# Allegro board 038RT-9068CJK8E-A100_0921_1.brd (continued)
## Nets (continued)
S0_R_P0_RXD2: K233.6 RR411.2
S0_R_P0_RXD3: K232.3 RR408.2
S0_R_P0_RXDV: K232.6 RR409.2
S0_R_P0_RXER: K183.6 RR406.2
S0_R_P0_TXC: K181.6 RR404.2
S0_R_P0_TXD0: K180.6 RR400.2
S0_R_P0_TXD1: K181.3 RR401.2
S0_R_P0_TXD2: K182.3 RR402.2
S0_R_P0_TXD3: K183.3 RR403.2
S0_R_P0_TXEN: K180.3 RR405.2
S0_RESETB: RD179.1 SITE0.T1(RESETB)
S0_RTT: R105.1 R434.1 SITE0.D11(RTT_CKDIG)
S0_SEL1_K145: K145.8(SEL1) RL15.1 RU11.2 RU12.1
S0_SEL2_K145: K145.17(SEL2) RU12.2
S0_SEL2_K217: K217.17(SEL2) RL38.1
S0_SPI_CSB: RD73.1 SITE0.L16(SPI_CSB)
S0_SPI_SCK: RD75.1 SITE0.P16(SPI_SCK)
S0_SPI_SI: RD76.1 SITE0.R16(SPI_SIO0)
S0_SPI_SO: RD74.1 SITE0.M16(SPI_SIO1)
S0_SPI_VDDIO: RD62.1 SITE0.R15(SPI_VDDIO)
S0_SW_CTRL: S0_SW_CTRL.2 SLOT2-DOWN.E5 U6.10(SEL0) U6.25(SEL_1) U17.10(SEL0) U17.25(SEL_1) U18.10(SEL0) U18.25(SEL_1)
S0_SWR1_EN: CS5.1 R548.2 SWR1.7(EN)
S0_SWR1_FB: CS2.2 RB7.2 RB8.1 SG0_SWR1_FB.1 SWR1.1(FB)
S0_SWR1_LX: LX1.1 SWR1.6(LX)
S0_SWR1_PG: RS6.2 SWR1.2(PG)
S0_SWR1_VIN: RS6.1 RS9.2 SWR1.3(IN)
S0_TAPSL0: RD79.1 SITE0.P2(TAPSL0)
S0_TAPSL0_HIGH: R342.1 S0_TAPSL0.1
S0_TAPSL0_LOW: R343.1 S0_TAPSL0.3
S0_TAPSL1: RD80.1 SITE0.R2(TAPSL1)
S0_TAPSL1_HIGH: R344.1 S0_TAPSL1.1
S0_TAPSL1_LOW: R345.1 S0_TAPSL1.3
S0_TCT: C171.1 T12.10(TCT2) T12.15(TCT1)
S0_TDO: RD97.2 SITE0.H16(TDO)
S0_U1_FE_MDI+: K56.4 T12.11(TD2+)
S0_U1_FE_MDI-: K56.5 T12.9(TD2-)
S0_U1_FE_MDIX+: K52.4 T12.16(TD1+)
S0_U1_FE_MDIX-: K52.5 T12.14(TD1-)
S0_U1_P0_MDI+: K60.4 T7.3
S0_U1_P0_MDI-: K60.5 T7.4
S0_U1_P1_MDI+: K64.4 T8.3
S0_U1_P1_MDI-: K64.5 T8.4
S0_U1_P2_GIGA_MDI+: C385.1 T18.2
S0_U1_P2_GIGA_MDI-: C384.1 T18.1
S0_U1_P3_GIGA_MDI+: C413.1 T23.2
S0_U1_P3_GIGA_MDI-: C412.1 T23.1
S0_U1_P5_MDI+: K130.4 T17.3
S0_U1_P5_MDI-: K130.5 T17.4
S0_U1_P6_MDI+: K140.4 T15.3
S0_U1_P6_MDI-: K140.5 T15.4
S0_U2_FE_MDI+: T12.6(MX2+) U6.12(A2)
S0_U2_FE_MDI-: T12.8(MX2-) U6.13(A3)
S0_U2_FE_MDIX+: T12.1(MX1+) U6.6(A0)
S0_U2_FE_MDIX-: T12.3(MX1-) U6.7(A1)
S0_U2_P0_MDI+: C195.1 T7.2
S0_U2_P0_MDI-: C196.1 T7.1
S0_U2_P1_MDI+: C198.1 T8.2
S0_U2_P1_MDI-: C199.1 T8.1
S0_U2_P2_GIGA_MDI+: C385.2 K144.11(A2+) R454.1
S0_U2_P2_GIGA_MDI-: C384.2 K144.12(A2-) R455.1
S0_U2_P2_RC: C391.1 R454.2 R455.2 R456.1
S0_U2_P3_GIGA_MDI+: C413.2 K144.2(A0+) R498.1
S0_U2_P3_GIGA_MDI-: C412.2 K144.3(A0-) R499.1
S0_U2_P3_RC: C418.1 R498.2 R499.2 R500.1
S0_U2_P5_MDI+: C383.1 T17.2
S0_U2_P5_MDI-: C381.1 T17.1
S0_U2_P6_MDI+: C376.1 T15.2
S0_U2_P6_MDI-: C377.1 T15.1
S0_U3_FE_MDI+: CON1.3(DB+) U6.55(2B1)
S0_U3_FE_MDI-: CON1.6(DB-) U6.54(3B1)
S0_U3_FE_MDIX+: CON1.1(DA+) U6.61(0B1)
S0_U3_FE_MDIX-: CON1.2(DA-) U6.60(1B1)
S0_U3_P0_MDI+: C195.2 R149.1 U17.21(A6)
S0_U3_P0_MDI-: C196.2 R150.1 U17.22(A7)
S0_U3_P0_RC: C194.1 R2.1 R149.2 R150.2
S0_U3_P1_MDI+: C198.2 R155.1 U17.27(A8)
S0_U3_P1_MDI-: C199.2 R156.1 U17.28(A9)
S0_U3_P1_RC: C197.1 R3.1 R155.2 R156.2
S0_U3_P2_GIGA_MDI+: K144.29(B2+) K145.24(C2-)
S0_U3_P2_GIGA_MDI-: K144.28(B2-) K145.25(C2+)
S0_U3_P3_GIGA_MDI+: K144.38(B0+) K145.28(B2-)
S0_U3_P3_GIGA_MDI-: K144.37(B0-) K145.29(B2+)
S0_U3_P5_MDI+: C383.2 R440.1 U17.18(A4)
S0_U3_P5_MDI-: C381.2 R439.1 U17.19(A5)
S0_U3_P5_RC: C379.1 R5.1 R439.2 R440.2
S0_U3_P6_MDI+: C376.2 R441.1 U17.12(A2)
S0_U3_P6_MDI-: C377.2 R438.1 U17.13(A3)
S0_U3_P6_RC: C375.1 R10.1 R438.2 R441.2
S0_U4_GIGA_MDI+: GPHY3.1 K145.12(A2-)
S0_U4_GIGA_MDI-: GPHY3.2 K145.11(A2+)
S0_U4_P0_MDI+: K60.2 K240.3
S0_U4_P0_MDI-: K60.7 K240.6
S0_U4_P1_MDI+: K64.2 K241.3
S0_U4_P1_MDI-: K64.7 K241.6
S0_U4_P2_R_1: GPHY2.G1 GPHY2.G2 GPHY2.G3 R542.2
S0_U4_P2_R_2: GPHY2.G4 GPHY2.G5 GPHY2.G6 R543.2
S0_U4_P2_RC_1: C441.1 R542.1
S0_U4_P2_RC_2: C442.1 R543.1
S0_U4_P3_R_1: GPHY3.G1 GPHY3.G2 GPHY3.G3 R540.1
S0_U4_P3_R_2: GPHY3.G4 GPHY3.G5 GPHY3.G6 R541.2
S0_U4_P3_RC_1: C439.1 R540.2
S0_U4_P3_RC_2: C440.1 R541.1
S0_U4_P5_MDI+: K130.2 K242.3
S0_U4_P5_MDI-: K130.7 K242.6
S0_U4_P6_MDI+: K140.2 K243.3
S0_U4_P6_MDI-: K140.7 K243.6
S0_U4PI_P0_MDI+: MQS1.1 U17.45(6B1)
S0_U4PI_P0_MDI-: MQS1.2 U17.44(7B1)
S0_U4PI_P1_MDI+: MQS1.10 U17.39(8B1)
S0_U4PI_P1_MDI-: MQS1.11 U17.38(9B1)
S0_U4PI_P5_MDI+: MQS1.3 U17.49(4B1)
S0_U4PI_P5_MDI-: MQS1.4 U17.48(5B1)
S0_U4PI_P6_MDI+: MQS1.12 U17.55(2B1)
S0_U4PI_P6_MDI-: MQS1.13 U17.54(3B1)
S0_U4PILB_P0_MDI+: U17.43(6B2) U18.59(0B2)
S0_U4PILB_P0_MDI-: U17.42(7B2) U18.58(1B2)
S0_U4PILB_P1_MDI+: U17.37(8B2) U18.53(2B2)
S0_U4PILB_P1_MDI-: U17.36(9B2) U18.52(3B2)
S0_U4PILB_P5_MDI+: U17.47(4B2) U18.47(4B2)
S0_U4PILB_P5_MDI-: U17.46(5B2) U18.46(5B2)
S0_U4PILB_P6_MDI+: U17.53(2B2) U18.43(6B2)
S0_U4PILB_P6_MDI-: U17.52(3B2) U18.42(7B2)
S0_U6_VDD: C173.1 R20.1 R137.1 U6.2(VDD_1) U6.8(VDD_2) U6.11(VDD_3) U6.15(VDD_4) U6.16(VDD_5) U6.20(VDD_6) U6.24(VDD_7) U6.26(VDD_8) U6.31(VDD_9) U6.33(VDD_10) U6.40(VDD_11) U6.56(VDD_12) U6.64(VDD_13)
S0_U17_VDD: C209.1 C220.1 R21.1 U17.2(VDD_1) U17.8(VDD_2) U17.11(VDD_3) U17.15(VDD_4) U17.16(VDD_5) U17.20(VDD_6) U17.24(VDD_7) U17.26(VDD_8) U17.31(VDD_9) U17.33(VDD_10) U17.40(VDD_11) U17.56(VDD_12) U17.64(VDD_13) U18.2(VDD_1) U18.8(VDD_2) U18.11(VDD_3) U18.15(VDD_4) U18.16(VDD_5) U18.20(VDD_6) U18.24(VDD_7) U18.26(VDD_8) U18.31(VDD_9) U18.33(VDD_10) U18.40(VDD_11) U18.56(VDD_12) U18.64(VDD_13)
S0_VBAT: C78.1 C79.1 C325.1 K7.4(COMMON1) K7.9(COMMON2) R276.2 R309.1 S0_PH_VBAT.1 S0_VBAT.1(TP) SITE0.G7(VBAT)
S0_VO09: CD168.1 L3.2 RD11.2 RD21.2 S0_VO09.1(TP) SITE0.G4(VO09) SLOT0-DOWN.C11
S0_VSENSE: K223.4(COMMON1) SITE0.F4(VSENSE)
S0_WAKE: K82.4(COMMON1) SITE0.K4(WAKE)
S0_WP: RD77.1 SITE0.K16(SPI_SIO2)
S1_1_CKXTAL1: UNK1C169.2 UNK1K34.5 UNK1Y7.3
S1_1_CKXTAL2: UNK1C168.2 UNK1K34.4 UNK1Y7.1
S1_1_INH: UNK1K6.4 UNK1R362.1
S1_1_NGATE: UNK1CMOS1.2 UNK1K11.8
S1_1_P6_HSI+: UNK1K213.31 UNK1K214.12
S1_1_P6_HSI-: UNK1K213.32 UNK1K214.11
S1_1_P6_HSO+: UNK1K213.34 UNK1K217.11
S1_1_P6_HSO-: UNK1K213.33 UNK1K217.12
S1_1_P7_HSI+: UNK1K213.22 UNK1K214.16
S1_1_P7_HSI-: UNK1K213.23 UNK1K214.15
S1_1_P7_HSO+: UNK1K213.25 UNK1K217.15
S1_1_P7_HSO-: UNK1K213.24 UNK1K217.16
S1_1_PGATE: UNK1CMOS1.4 UNK1K11.5
S1_1_VSENSE: UNK1CMOS1.5 UNK1CMOS1.6 UNK1CMOS1.7 UNK1CMOS1.8 UNK1CMOS1.9 UNK1CMOS1.10 UNK1K223.5 UNK1L3.1
S1_1_WAKE: UNK1K82.5 UNK1R276.1
S1_2_GPIOA1: UNK1K124.3 UNK1R328.2
S1_2_GPIOA2: UNK1K124.6 UNK1R327.2
S1_AVDD09: S1_AVDD09.1(TP) SITE1.A8(AVDD09_FE[01]) SITE1.D8(AVDD09_FE[02]) SITE1.D15(AVDD09_MCK[01]) SITE1.D16(AVDD09_GIGA[01]) SITE1.E4(AVDD09[01]) SITE1.E5(AVDD09[02]) SITE1.E15(AVDD09_MCK[02]) SITE1.E16(AVDD09_GIGA[02]) SITE1.T13(AVDD09_SGMII[01]) SITE1.T14(AVDD09_SGMII[02]) SITE1.V4(AVDD09_RX[01]) SITE1.V5(AVDD09_RX[02]) SITE1.V8(AVDD09_CMU[01]) SITE1.V9(AVDD09_CMU[02]) SITE1.V10(AVDD09_TX[01]) SITE1.V11(AVDD09_TX[02]) UNK1BD2.1 UNK1CD26.1 UNK1CD27.1 UNK1CD28.1 UNK1CD29.1 UNK1CD30.1 UNK1CD31.1 UNK1CD32.1 UNK1CD33.1 UNK1CD34.1 UNK1CD35.1 UNK1CD36.1 UNK1CD37.1 UNK1CD38.1 UNK1CD39.1 UNK1CD40.1 UNK1CD41.1 UNK1CD42.1 UNK1CD43.1 UNK1CD44.1 UNK1CD82.1 UNK1CD86.1
S1_AVDD09_VO09: UNK1K4.8 UNK1RD21.1
S1_AVDD33: S1_AVDD33.1(TP) SITE1.B12(AVDD33_XTAL[01]) SITE1.B13(AVDD33_XTAL[02]) SITE1.B14(AVDD33_CEN) SITE1.B17(AVDD33_MCK[01]) SITE1.B18(AVDD33_MCK[02]) SITE1.D4(AVDD33[01]) SITE1.D5(AVDD33[02]) SITE1.D6(AVDD33_DIG[01]) SITE1.D7(AVDD33_FE[01]) SITE1.E6(AVDD33_DIG[02]) SITE1.E7(AVDD33_FE[02]) SITE1.E11(AVDD33_CKDIG) SITE1.F15(AVDD33_P2[01]) SITE1.F16(AVDD33_P3[01]) SITE1.G5(AVDD33_PCTL) SITE1.G15(AVDD33_P2[02]) SITE1.G16(AVDD33_P3[02]) SITE1.T9(AVDD33_CMU[01]) SITE1.T10(AVDD33_CMU[02]) SITE1.T15(AVDD33_SGMII[01]) SITE1.T16(AVDD33_SGMII[02]) SITE1.V16(AVDD33_SGMII[03]) UNK1CD51.1 UNK1CD52.1 UNK1CD53.1 UNK1CD54.1 UNK1CD55.1 UNK1CD56.1 UNK1CD57.1 UNK1CD58.1 UNK1CD59.1 UNK1CD60.1 UNK1CD61.1 UNK1CD62.1 UNK1CD63.1 UNK1CD64.1 UNK1CD65.1 UNK1CD66.1 UNK1CD67.1 UNK1CD68.1 UNK1CD69.1 UNK1CD70.1 UNK1CD71.1 UNK1CD72.1 UNK1CD73.1 UNK1CD87.1 UNK1CD88.1 UNK1RD32.1
S1_AVDD33_MOSFET: S1_AVDD33_MOSFET.1(TP) SITE1.J5(AVDD33MOSFET) UNK1BD5.1 UNK1CD90.1 UNK1CD96.1 UNK1CD114.1 UNK1CMOS1.3 UNK1ST5.1
S1_CHR_FE_MDI+: UNK1K58.4 UNK1R130.1
S1_CHR_FE_MDI-: UNK1K58.5 UNK1R130.2
S1_CHR_FE_MDIX+: UNK1K54.4 UNK1R126.1
S1_CHR_FE_MDIX-: UNK1K54.5 UNK1R126.2
S1_CKXTAL1: SITE1.A13(XI) UNK1K34.6
S1_CKXTAL2: SITE1.A12(XO) UNK1K34.3
S1_DCH_AT+: MUX15.3(S2A) SITE1.B15(ATP)
S1_DCH_AT-: MUX15.10(S2B) SITE1.B16(ATN)
S1_DCH_P4_HSI+: MUX1.3(S2A) UNK1K184.33
S1_DCH_P4_HSI-: MUX1.10(S2B) UNK1K184.34
S1_DCH_P4_HSO+: MUX2.3(S2A) UNK1K184.31
S1_DCH_P4_HSO-: MUX2.10(S2B) UNK1K184.32
S1_DCH_P5_HSI+: MUX3.3(S2A) UNK1K184.24
S1_DCH_P5_HSI-: MUX3.10(S2B) UNK1K184.25
S1_DCH_P5_HSO+: MUX4.3(S2A) UNK1K184.22
S1_DCH_P5_HSO-: MUX4.10(S2B) UNK1K184.23
S1_DCH_P6_CLKREQB: MUX11.3(S2A) UNK1K211.4
S1_DCH_P6_HSI+: MUX6.3(S2A) UNK1K214.24
S1_DCH_P6_HSI-: MUX6.10(S2B) UNK1K214.25
S1_DCH_P6_HSO+: MUX7.3(S2A) UNK1K217.25
S1_DCH_P6_HSO-: MUX7.10(S2B) UNK1K217.24
S1_DCH_P6_ISOLATEB: MUX13.3(S2A) UNK1K220.4
S1_DCH_P6_LANWAKEB: MUX12.3(S2A) UNK1K212.4
S1_DCH_P6_PCIE_RESETB: MUX14.3(S2A) UNK1K221.4
S1_DCH_P6_REFCLK_100M+: MUX5.3(S2A) UNK1K214.34
S1_DCH_P6_REFCLK_100M-: MUX5.10(S2B) UNK1K214.33
S1_DCH_P7_CLKREQB: MUX11.10(S2B) UNK1K211.5
S1_DCH_P7_HSI+: MUX9.3(S2A) UNK1K214.22
S1_DCH_P7_HSI-: MUX9.10(S2B) UNK1K214.23
S1_DCH_P7_HSO+: MUX10.3(S2A) UNK1K217.23
S1_DCH_P7_HSO-: MUX10.10(S2B) UNK1K217.22
S1_DCH_P7_ISOLATEB: MUX13.10(S2B) UNK1K220.5
S1_DCH_P7_LANWAKEB: MUX12.10(S2B) UNK1K212.5
S1_DCH_P7_PCIE_RESETB: MUX14.10(S2B) UNK1K221.5
S1_DCH_P7_REFCLK_100M+: MUX8.3(S2A) UNK1K214.32
S1_DCH_P7_REFCLK_100M-: MUX8.10(S2B) UNK1K214.31
S1_DISB: SITE1.R1(DISB) UNK1RD178.1
S1_DPS_AVDD09: S1_DPS_AVDD09.1 SLOT24.E4 UNK1CD45.1 UNK1CD46.1 UNK1CD47.1 UNK1CD48.1 UNK1CD49.1 UNK1CD50.1 UNK1K4.10 UNK1ST2.1
S1_DPS_AVDD33: S1_DPS_AVDD33.1 SLOT24.E2 SLOT24.E5 UNK1BD5.2 UNK1CD74.1 UNK1CD75.1 UNK1CD76.1 UNK1CD77.1 UNK1CD78.1 UNK1CD79.1 UNK1CD111.1 UNK1CD113.1 UNK1CD115.1 UNK1CD116.1 UNK1CD117.1 UNK1CD118.1 UNK1CD119.1 UNK1CD120.1 UNK1RD32.2
S1_DPS_DVDD09: S1_DPS_DVDD09.1 SLOT24.D1 SLOT24.D4 UNK1CD20.1 UNK1CD21.1 UNK1CD22.1 UNK1CD23.1 UNK1CD24.1 UNK1CD25.1 UNK1CD169.1 UNK1CD170.1 UNK1CD171.1 UNK1CD172.1 UNK1CD173.1 UNK1CD174.1 UNK1K4.3
S1_DPS_DVDD33: S1_DPS_DVDD33.1 UNK1CD93.1 UNK1CD94.1 UNK1CD95.1 UNK1CD97.1 UNK1CD112.1 UNK1RD42.2 UNK1RD43.1
S1_DPS_GPIO_P015VDDIO: S1_DPS_GPIO_P015.1 SLOT24.E1 UNK1CD121.1 UNK1CD122.1 UNK1CD123.1 UNK1CD124.1 UNK1CD125.1 UNK1CD126.1 UNK1K5.3 UNK1K5.5 UNK1K5.10
S1_DPS_LDOIN: S1_DPS_LDOIN.1 SLOT24.D7 UNK1CD155.1 UNK1CD156.1 UNK1CD157.1 UNK1CD158.1 UNK1CD159.1 UNK1CD160.1 UNK1CD167.1 UNK1RD43.2 UNK1RD72.2
S1_DVDD09: S1_DVDD09.1(TP) SITE1.G8(DVDD09[01]) SITE1.H9(DVDD09[02]) SITE1.J9(DVDD09[03]) SITE1.K9(DVDD09[04]) SITE1.L9(DVDD09[05]) SITE1.M10(DVDD09[06]) SITE1.M11(DVDD09[07]) SITE1.M12(DVDD09[08]) SITE1.N10(DVDD09[09]) SITE1.N11(DVDD09[10]) SITE1.N12(DVDD09[11]) UNK1BD1.1 UNK1BD19.1 UNK1BD20.1 UNK1CD1.1 UNK1CD2.1 UNK1CD3.1 UNK1CD4.1 UNK1CD5.1 UNK1CD6.1 UNK1CD7.1 UNK1CD8.1 UNK1CD9.1 UNK1CD10.1 UNK1CD11.1 UNK1CD12.1 UNK1CD13.1 UNK1CD14.1 UNK1CD15.1 UNK1CD16.1 UNK1CD17.1 UNK1CD18.1 UNK1CD19.1 UNK1CD80.1 UNK1CD81.1 UNK1ST1.1
S1_DVDD09_VO09: UNK1K4.5 UNK1RD11.1
S1_DVDD33: S1_DVDD33.1(TP) SITE1.M13(DVDD33[01]) SITE1.N13(DVDD33[02]) UNK1CD83.1 UNK1CD84.1 UNK1CD85.1 UNK1CD89.1 UNK1CD91.1 UNK1CD92.1 UNK1CD100.1 UNK1CD142.1 UNK1RD42.1
S1_F_AVDD09: UNK1BD2.2 UNK1CD110.1 UNK1CD179.1 UNK1K4.9
S1_F_DVDD09: UNK1BD1.2 UNK1BD19.2 UNK1BD20.2 UNK1CD109.1 UNK1CD178.1 UNK1K4.4
S1_F_GPIO_VDDIO: UNK1CD135.1 UNK1CD180.1 UNK1K5.4 UNK1RD64.2
S1_F_P0_1_5_VDDIO: UNK1BD8.2 UNK1BD9.2 UNK1BD10.2 UNK1CD144.1 UNK1CD149.1 UNK1CD154.1 UNK1CD181.1 UNK1CD182.1 UNK1CD183.1 UNK1K5.9
S1_FE_LED0: SITE1.N15(FE_LED0) UNK1RD88.1
S1_FE_LED1: SITE1.P15(FE_LED1) UNK1RD89.1
S1_FE_MDI+: SITE1.B8(FE_MDIPA) UNK1K56.3
S1_FE_MDI-: SITE1.B7(FE_MDINA) UNK1K56.6
S1_FE_MDIX+: SITE1.A7(FE_MDIPB) UNK1K52.3
S1_FE_MDIX-: SITE1.A6(FE_MDINB) UNK1K52.6
S1_GPIO_VDDIO: S1_GPIO_VDDIO.1(TP) SITE1.L7(GPIO0_VDDIO) SITE1.M9(GPIO1_VDDIO) SITE1.R6(MAC_VDDIO[01]) SITE1.T6(MAC_VDDIO[02]) UNK1CD108.1 UNK1CD127.1 UNK1CD128.1 UNK1CD129.1 UNK1CD130.1 UNK1CD131.1 UNK1CD132.1 UNK1CD133.1 UNK1CD134.1 UNK1CD143.1 UNK1RD62.2 UNK1RD64.1 UNK1ST6.1
S1_GPIOA_0: SITE1.L1(GPIOA_0) UNK1RD81.1
S1_GPIOA_1: SITE1.M1(GPIOA_1) UNK1RD83.1
S1_GPIOA_2: SITE1.N1(GPIOA_2) UNK1RD82.1
S1_GPIOA_3: SITE1.P1(GPIOA_3) UNK1RD84.1
S1_GPIOB_0: SITE1.L2(GPIOB_0) UNK1RD85.1
S1_GPIOB_1: SITE1.M2(GPIOB_1) UNK1RD86.1
S1_GPIOB_2: SITE1.N2(GPIOB_2) UNK1RD101.1
S1_GPIOC_0: SITE1.L4(GPIOC_0) UNK1RD98.1
S1_GPIOC_1: SITE1.L5(GPIOC_1) UNK1RD99.1
S1_H_SW_CTRL: S1_SW_CTRL.1 UNK1R137.2
S1_HOLD: SITE1.N16(SPI_SIO3) UNK1RD78.1
S1_INH: SITE1.J4(INH) UNK1K6.5 UNK1R275.1 UNK1R360.1
S1_INH_DIV2: UNK1K6.3 UNK1R360.2 UNK1R361.1
S1_INH_GND: UNK1K6.9 UNK1R361.2
S1_L_SW_CTRL: S1_SW_CTRL.3 UNK1R138.2
S1_LB_FE_MDI+: UNK1U6.43 UNK1U6.53
S1_LB_FE_MDI-: UNK1U6.42 UNK1U6.52
S1_LB_FE_MDIX+: UNK1U6.37 UNK1U6.59
S1_LB_FE_MDIX-: UNK1U6.36 UNK1U6.58
S1_LB_P2_GIGA_MDI+: UNK1K144.23 UNK1K144.25
S1_LB_P2_GIGA_MDI-: UNK1K144.22 UNK1K144.24
S1_LB_P3_GIGA_MDI+: UNK1K144.32 UNK1K144.34
S1_LB_P3_GIGA_MDI-: UNK1K144.31 UNK1K144.33
S1_LDOIN: S1_LDOIN.1(TP) SITE1.H12(P5_LDOIN[01]) SITE1.H13(P1_LDOIN[01]) SITE1.J7(P0_LDOIN[01]) SITE1.J12(P5_LDOIN[02]) SITE1.J13(P1_LDOIN[02]) SITE1.K7(P0_LDOIN[02]) UNK1CD98.1 UNK1CD99.1 UNK1CD161.1 UNK1CD162.1 UNK1CD163.1 UNK1CD164.1 UNK1CD165.1 UNK1CD166.1 UNK1RD72.1 UNK1ST3.1
S1_MCT1: UNK1R134.1 UNK1T12.2
S1_MCT2: UNK1R133.1 UNK1T12.7
S1_MCT_RC: UNK1C172.1 UNK1R133.2 UNK1R134.2
S1_NGATE: SITE1.F5(NGATE) UNK1K11.9
S1_OE_K144: UNK1K144.1 UNK1K144.10 UNK1RL18.1
S1_OE_K145: UNK1K145.1 UNK1K145.10 UNK1RL16.1
S1_OE_K184: UNK1K184.1 UNK1K184.10 UNK1RL21.1
S1_OE_K213: UNK1K213.1 UNK1K213.10 UNK1RL42.1
S1_OE_K214: UNK1K214.1 UNK1K214.10 UNK1RL44.1
S1_OE_K217: UNK1K217.1 UNK1K217.10 UNK1RL39.1
S1_P0_LDOOUT: SITE1.H7(P0_LDOOUT[01]) SITE1.H8(P0_LDOOUT[02]) UNK1K8.4
S1_P0_LED: SITE1.H15(P0_LED) UNK1RD90.1
S1_P0_MDI+: SITE1.A3(P0_MDIP) UNK1K60.3
S1_P0_MDI-: SITE1.A2(P0_MDIN) UNK1K60.6
S1_P0_RXC: SITE1.G1(P0_RXC) UNK1RR410.1
S1_P0_RXD0: SITE1.K2(P0_RXD0) UNK1RR413.1
S1_P0_RXD1: SITE1.K1(P0_RXD1) UNK1RR407.1
S1_P0_RXD2: SITE1.J2(P0_RXD2) UNK1RR411.1
S1_P0_RXD3: SITE1.J1(P0_RXD3) UNK1RR408.1
S1_P0_RXDV: SITE1.H2(P0_RXDV) UNK1RR409.1
S1_P0_RXER: SITE1.H1(P0_RXER) UNK1RR406.1
S1_P0_TESTD: SITE1.G2(P0_TESTD) UNK1RR412.1
S1_P0_TXC: SITE1.E2(P0_TXC) UNK1RR404.1
S1_P0_TXD0: SITE1.D2(P0_TXD0) UNK1RR400.1
S1_P0_TXD1: SITE1.D1(P0_TXD1) UNK1RR401.1
S1_P0_TXD2: SITE1.C2(P0_TXD2) UNK1RR402.1
S1_P0_TXD3: SITE1.C1(P0_TXD3) UNK1RR403.1
S1_P0_TXEN: SITE1.E1(P0_TXEN) UNK1RR405.1
S1_P0_VDDIO: SITE1.B1(P0_VDDIO[01]) SITE1.F1(P0_VDDIO[02]) SITE1.F2(P0_VDDIO[03]) UNK1BD8.1 UNK1CD104.1 UNK1CD105.1 UNK1CD136.1 UNK1CD137.1 UNK1CD138.1 UNK1CD139.1 UNK1K8.3
S1_P1_LDOOUT: SITE1.K13(P1_LDOOUT[01]) SITE1.L13(P1_LDOOUT[02]) UNK1K9.4
S1_P1_LED: SITE1.J16(P1_LED) UNK1RD95.1
S1_P1_MDI+: SITE1.B4(P1_MDIP) UNK1K64.3
S1_P1_MDI-: SITE1.B3(P1_MDIN) UNK1K64.6
S1_P1_RXC: SITE1.R18(P1_RXC) UNK1RR524.1 UNK1RR534.1
S1_P1_RXD0: SITE1.M18(P1_RXD0) UNK1RR520.1 UNK1RR530.1
S1_P1_RXD1: SITE1.M19(P1_RXD1) UNK1RR521.1 UNK1RR531.1
S1_P1_RXD2: SITE1.N18(P1_RXD2) UNK1RR522.1 UNK1RR532.1
S1_P1_RXD3: SITE1.N19(P1_RXD3) UNK1RR523.1 UNK1RR533.1
S1_P1_RXDV: SITE1.P18(P1_RXDV) UNK1RR525.1 UNK1RR535.1
S1_P1_TXC: SITE1.T19(P1_TXC) UNK1RR504.1 UNK1RR514.1
S1_P1_TXD0: SITE1.V19(P1_TXD0) UNK1RR500.1 UNK1RR510.1
S1_P1_TXD1: SITE1.V18(P1_TXD1) UNK1RR501.1 UNK1RR511.1
S1_P1_TXD2: SITE1.W18(P1_TXD2) UNK1RR502.1 UNK1RR512.1
S1_P1_TXD3: SITE1.V17(P1_TXD3) UNK1RR503.1 UNK1RR513.1
S1_P1_TXEN: SITE1.U19(P1_TXEN) UNK1RR505.1 UNK1RR515.1
S1_P1_VDDIO: SITE1.R19(P1_VDDIO[01]) SITE1.T18(P1_VDDIO[02]) UNK1BD9.1 UNK1CD106.1 UNK1CD107.1 UNK1CD145.1 UNK1CD146.1 UNK1CD147.1 UNK1CD148.1 UNK1K9.3
S1_P2_GIGA_MDI+: SITE1.A16(P2_GIGA_MDIP) UNK1T18.3
S1_P2_GIGA_MDI-: SITE1.A15(P2_GIGA_MDIN) UNK1T18.4
S1_P2_LED: SITE1.J15(P2_LED) UNK1RD96.1
S1_P3_GIGA_MDI+: SITE1.A18(P3_GIGA_MDIP) UNK1T23.3
S1_P3_GIGA_MDI-: SITE1.A17(P3_GIGA_MDIN) UNK1T23.4
S1_P3_LED: SITE1.K15(P3_LED) UNK1RD100.1
S1_P4_HSI+: SITE1.V12(P4_HSIP) UNK1K184.3
S1_P4_HSI-: SITE1.V13(P4_HSIN) UNK1K184.2
S1_P4_HSO+: SITE1.W13(P4_HSOP) UNK1K184.7
S1_P4_HSO-: SITE1.W14(P4_HSON) UNK1K184.6
S1_P5_HSI+: SITE1.V14(P5_HSIP) UNK1K184.12
S1_P5_HSI-: SITE1.V15(P5_HSIN) UNK1K184.11
S1_P5_HSO+: SITE1.W15(P5_HSOP) UNK1K184.16
S1_P5_HSO-: SITE1.W16(P5_HSON) UNK1K184.15
S1_P5_LDOOUT: SITE1.K12(P5_LDOOUT[01]) SITE1.L12(P5_LDOOUT[02]) UNK1K10.4
S1_P5_LED: SITE1.L15(P5_LED) UNK1RD87.1
S1_P5_MDI+: SITE1.A5(P5_MDIP) UNK1K130.3
S1_P5_MDI-: SITE1.A4(P5_MDIN) UNK1K130.6
S1_P5_RXC: SITE1.G19(P5_RXC) UNK1RR924.1 UNK1RR934.1
S1_P5_RXD0: SITE1.D19(P5_RXD0) UNK1RR920.1 UNK1RR930.1
S1_P5_RXD1: SITE1.E18(P5_RXD1) UNK1RR921.1 UNK1RR931.1
S1_P5_RXD2: SITE1.E19(P5_RXD2) UNK1RR922.1 UNK1RR932.1
S1_P5_RXD3: SITE1.F18(P5_RXD3) UNK1RR923.1 UNK1RR933.1
S1_P5_RXDV: SITE1.F19(P5_RXDV) UNK1RR925.1 UNK1RR935.1
S1_P5_TXC: SITE1.J18(P5_TXC) UNK1RR904.1 UNK1RR914.1
S1_P5_TXD0: SITE1.K18(P5_TXD0) UNK1RR900.1 UNK1RR910.1
S1_P5_TXD1: SITE1.K19(P5_TXD1) UNK1RR901.1 UNK1RR911.1
S1_P5_TXD2: SITE1.L18(P5_TXD2) UNK1RR902.1 UNK1RR912.1
S1_P5_TXD3: SITE1.L19(P5_TXD3) UNK1RR903.1 UNK1RR913.1
S1_P5_TXEN: SITE1.J19(P5_TXEN) UNK1RR905.1 UNK1RR915.1
S1_P5_VDDIO: SITE1.D18(P5_VDDIO[01]) SITE1.H18(P5_VDDIO[02]) SITE1.H19(P5_VDDIO[03]) UNK1BD10.1 UNK1CD140.1 UNK1CD141.1 UNK1CD150.1 UNK1CD151.1 UNK1CD152.1 UNK1K10.3
S1_P6_CLKREQB: SITE1.U1(P6_CLKREQB) UNK1K211.3
S1_P6_HSI+: SITE1.W6(P6_HSIP) UNK1K213.7
S1_P6_HSI-: SITE1.W5(P6_HSIN) UNK1K213.6
S1_P6_HSO+: SITE1.W3(P6_HSOP) UNK1K213.2
S1_P6_HSO-: SITE1.W4(P6_HSON) UNK1K213.3
S1_P6_ISOLATEB: SITE1.U2(P6_ISOLATEB) UNK1K220.3
S1_P6_LANWAKEB: SITE1.T2(P6_LANWAKEB) UNK1K212.3
S1_P6_LED: SITE1.M15(P6_LED) UNK1RD92.1
S1_P6_MDI+: SITE1.B6(P6_MDIP) UNK1K140.3
S1_P6_MDI-: SITE1.B5(P6_MDIN) UNK1K140.6
S1_P6_PCIE_RESETB: SITE1.V1(P6_PCIE_RESETB) UNK1K221.3
S1_P6_REFCLK+: SITE1.V2(P6_REFCLK_P) UNK1K214.2
S1_P6_REFCLK-: SITE1.V3(P6_REFCLK_N) UNK1K214.3
S1_P7_CLKREQB: SITE1.R5(P7_CLKREQB) UNK1K211.6
S1_P7_HSI+: SITE1.W11(P7_HSIP) UNK1K213.16
S1_P7_HSI-: SITE1.W10(P7_HSIN) UNK1K213.15
S1_P7_HSO+: SITE1.W8(P7_HSOP) UNK1K213.11
S1_P7_HSO-: SITE1.W9(P7_HSON) UNK1K213.12
S1_P7_ISOLATEB: SITE1.T4(P7_ISOLATEB) UNK1K220.6
S1_P7_LANWAKEB: SITE1.R4(P7_LANWAKEB) UNK1K212.6
S1_P7_PCIE_RESETB: SITE1.T5(P7_PCIE_RESETB) UNK1K221.6
S1_P7_REFCLK+: SITE1.V6(P7_REFCLK_P) UNK1K214.6
S1_P7_REFCLK-: SITE1.V7(P7_REFCLK_N) UNK1K214.7
S1_PGATE: SITE1.H5(PGATE) UNK1K11.4
S1_R_P0_RXC: UNK1K233.3 UNK1RR410.2
S1_R_P0_RXD0: UNK1K182.6 UNK1RR413.2
S1_R_P0_RXD1: UNK1K231.6 UNK1RR407.2
S1_R_P0_RXD2: UNK1K233.6 UNK1RR411.2
S1_R_P0_RXD3: UNK1K232.3 UNK1RR408.2
S1_R_P0_RXDV: UNK1K232.6 UNK1RR409.2
S1_R_P0_RXER: UNK1K183.6 UNK1RR406.2
S1_R_P0_TXC: UNK1K181.6 UNK1RR404.2
S1_R_P0_TXD0: UNK1K180.6 UNK1RR400.2
S1_R_P0_TXD1: UNK1K181.3 UNK1RR401.2
S1_R_P0_TXD2: UNK1K182.3 UNK1RR402.2
S1_R_P0_TXD3: UNK1K183.3 UNK1RR403.2
S1_R_P0_TXEN: UNK1K180.3 UNK1RR405.2
S1_RESETB: SITE1.T1(RESETB) UNK1RD179.1
S1_RTT: SITE1.D11(RTT_CKDIG) UNK1R105.1 UNK1R434.1
S1_SEL1_K145: UNK1K145.8 UNK1RL15.1 UNK1RU11.2 UNK1RU12.1
S1_SEL2_K145: UNK1K145.17 UNK1RU12.2
S1_SEL2_K217: UNK1K217.17 UNK1RL38.1
S1_SPI_CSB: SITE1.L16(SPI_CSB) UNK1RD73.1
S1_SPI_SCK: SITE1.P16(SPI_SCK) UNK1RD75.1
S1_SPI_SI: SITE1.R16(SPI_SIO0) UNK1RD76.1
S1_SPI_SO: SITE1.M16(SPI_SIO1) UNK1RD74.1
S1_SPI_VDDIO: SITE1.R15(SPI_VDDIO) UNK1RD62.1
S1_SW_CTRL: S1_SW_CTRL.2 SLOT3-UP.C18 UNK1U6.10 UNK1U6.25 UNK1U17.10 UNK1U17.25 UNK1U18.10 UNK1U18.25
S1_SWR1_EN: UNK1CS5.1 UNK1R548.2 UNK1SWR1.7
S1_SWR1_FB: SG1_SWR1_FB.1 UNK1CS2.2 UNK1RB7.2 UNK1RB8.1 UNK1SWR1.1
S1_SWR1_LX: UNK1LX1.1 UNK1SWR1.6
S1_SWR1_PG: UNK1RS6.2 UNK1SWR1.2
S1_SWR1_VIN: UNK1RS6.1 UNK1RS9.2 UNK1SWR1.3
S1_TAPSL0: SITE1.P2(TAPSL0) UNK1RD79.1
S1_TAPSL0_HIGH: S1_TAPSL0.1 UNK1R342.1
S1_TAPSL0_LOW: S1_TAPSL0.3 UNK1R343.1
S1_TAPSL1: SITE1.R2(TAPSL1) UNK1RD80.1
S1_TAPSL1_HIGH: S1_TAPSL1.1 UNK1R344.1
S1_TAPSL1_LOW: S1_TAPSL1.3 UNK1R345.1
S1_TCT: UNK1C171.1 UNK1T12.10 UNK1T12.15
S1_TDO: SITE1.H16(TDO) UNK1RD97.2
S1_U1_FE_MDI+: UNK1K56.4 UNK1T12.11
S1_U1_FE_MDI-: UNK1K56.5 UNK1T12.9
S1_U1_FE_MDIX+: UNK1K52.4 UNK1T12.16
S1_U1_FE_MDIX-: UNK1K52.5 UNK1T12.14
S1_U1_P0_MDI+: UNK1K60.4 UNK1T7.3
S1_U1_P0_MDI-: UNK1K60.5 UNK1T7.4
S1_U1_P1_MDI+: UNK1K64.4 UNK1T8.3
S1_U1_P1_MDI-: UNK1K64.5 UNK1T8.4
S1_U1_P2_GIGA_MDI+: UNK1C385.1 UNK1T18.2
S1_U1_P2_GIGA_MDI-: UNK1C384.1 UNK1T18.1
S1_U1_P3_GIGA_MDI+: UNK1C413.1 UNK1T23.2
S1_U1_P3_GIGA_MDI-: UNK1C412.1 UNK1T23.1
S1_U1_P5_MDI+: UNK1K130.4 UNK1T17.3
S1_U1_P5_MDI-: UNK1K130.5 UNK1T17.4
S1_U1_P6_MDI+: UNK1K140.4 UNK1T15.3
S1_U1_P6_MDI-: UNK1K140.5 UNK1T15.4
S1_U2_FE_MDI+: UNK1T12.6 UNK1U6.12
S1_U2_FE_MDI-: UNK1T12.8 UNK1U6.13
S1_U2_FE_MDIX+: UNK1T12.1 UNK1U6.6
S1_U2_FE_MDIX-: UNK1T12.3 UNK1U6.7
S1_U2_P0_MDI+: UNK1C195.1 UNK1T7.2
S1_U2_P0_MDI-: UNK1C196.1 UNK1T7.1
S1_U2_P1_MDI+: UNK1C198.1 UNK1T8.2
S1_U2_P1_MDI-: UNK1C199.1 UNK1T8.1
S1_U2_P2_GIGA_MDI+: UNK1C385.2 UNK1K144.11 UNK1R454.1
S1_U2_P2_GIGA_MDI-: UNK1C384.2 UNK1K144.12 UNK1R455.1
S1_U2_P2_RC: UNK1C391.1 UNK1R454.2 UNK1R455.2 UNK1R456.1
S1_U2_P3_GIGA_MDI+: UNK1C413.2 UNK1K144.2 UNK1R498.1
S1_U2_P3_GIGA_MDI-: UNK1C412.2 UNK1K144.3 UNK1R499.1
S1_U2_P3_RC: UNK1C418.1 UNK1R498.2 UNK1R499.2 UNK1R500.1
S1_U2_P5_MDI+: UNK1C383.1 UNK1T17.2
S1_U2_P5_MDI-: UNK1C381.1 UNK1T17.1
S1_U2_P6_MDI+: UNK1C376.1 UNK1T15.2
S1_U2_P6_MDI-: UNK1C377.1 UNK1T15.1
S1_U3_FE_MDI+: UNK1CON1.3 UNK1U6.55
S1_U3_FE_MDI-: UNK1CON1.6 UNK1U6.54
S1_U3_FE_MDIX+: UNK1CON1.1 UNK1U6.61
S1_U3_FE_MDIX-: UNK1CON1.2 UNK1U6.60
S1_U3_P0_MDI+: UNK1C195.2 UNK1R149.1 UNK1U17.21
S1_U3_P0_MDI-: UNK1C196.2 UNK1R150.1 UNK1U17.22
S1_U3_P0_RC: UNK1C194.1 UNK1R2.1 UNK1R149.2 UNK1R150.2
S1_U3_P1_MDI+: UNK1C198.2 UNK1R155.1 UNK1U17.27
S1_U3_P1_MDI-: UNK1C199.2 UNK1R156.1 UNK1U17.28
S1_U3_P1_RC: UNK1C197.1 UNK1R3.1 UNK1R155.2 UNK1R156.2
S1_U3_P2_GIGA_MDI+: UNK1K144.29 UNK1K145.24
S1_U3_P2_GIGA_MDI-: UNK1K144.28 UNK1K145.25
S1_U3_P3_GIGA_MDI+: UNK1K144.38 UNK1K145.28
S1_U3_P3_GIGA_MDI-: UNK1K144.37 UNK1K145.29
S1_U3_P5_MDI+: UNK1C383.2 UNK1R440.1 UNK1U17.18
S1_U3_P5_MDI-: UNK1C381.2 UNK1R439.1 UNK1U17.19
S1_U3_P5_RC: UNK1C379.1 UNK1R5.1 UNK1R439.2 UNK1R440.2
S1_U3_P6_MDI+: UNK1C376.2 UNK1R441.1 UNK1U17.12
S1_U3_P6_MDI-: UNK1C377.2 UNK1R438.1 UNK1U17.13
S1_U3_P6_RC: UNK1C375.1 UNK1R10.1 UNK1R438.2 UNK1R441.2
S1_U4_GIGA_MDI+: UNK1GPHY3.1 UNK1K145.12
S1_U4_GIGA_MDI-: UNK1GPHY3.2 UNK1K145.11
S1_U4_P0_MDI+: UNK1K60.2 UNK1K240.3
S1_U4_P0_MDI-: UNK1K60.7 UNK1K240.6
S1_U4_P1_MDI+: UNK1K64.2 UNK1K241.3
S1_U4_P1_MDI-: UNK1K64.7 UNK1K241.6
S1_U4_P2_R_1: UNK1GPHY2.G1 UNK1GPHY2.G2 UNK1GPHY2.G3 UNK1R542.2
S1_U4_P2_R_2: UNK1GPHY2.G4 UNK1GPHY2.G5 UNK1GPHY2.G6 UNK1R543.2
S1_U4_P2_RC_1: UNK1C441.1 UNK1R542.1
S1_U4_P2_RC_2: UNK1C442.1 UNK1R543.1
S1_U4_P3_R_1: UNK1GPHY3.G1 UNK1GPHY3.G2 UNK1GPHY3.G3 UNK1R540.1
S1_U4_P3_R_2: UNK1GPHY3.G4 UNK1GPHY3.G5 UNK1GPHY3.G6 UNK1R541.2
S1_U4_P3_RC_1: UNK1C439.1 UNK1R540.2
S1_U4_P3_RC_2: UNK1C440.1 UNK1R541.1
S1_U4_P5_MDI+: UNK1K130.2 UNK1K242.3
S1_U4_P5_MDI-: UNK1K130.7 UNK1K242.6
S1_U4_P6_MDI+: UNK1K140.2 UNK1K243.3
S1_U4_P6_MDI-: UNK1K140.7 UNK1K243.6
S1_U4PI_P0_MDI+: UNK1MQS1.1 UNK1U17.45
S1_U4PI_P0_MDI-: UNK1MQS1.2 UNK1U17.44
S1_U4PI_P1_MDI+: UNK1MQS1.10 UNK1U17.39
S1_U4PI_P1_MDI-: UNK1MQS1.11 UNK1U17.38
S1_U4PI_P5_MDI+: UNK1MQS1.3 UNK1U17.49
S1_U4PI_P5_MDI-: UNK1MQS1.4 UNK1U17.48
S1_U4PI_P6_MDI+: UNK1MQS1.12 UNK1U17.55
S1_U4PI_P6_MDI-: UNK1MQS1.13 UNK1U17.54
S1_U4PILB_P0_MDI+: UNK1U17.43 UNK1U18.59
S1_U4PILB_P0_MDI-: UNK1U17.42 UNK1U18.58
S1_U4PILB_P1_MDI+: UNK1U17.37 UNK1U18.53
S1_U4PILB_P1_MDI-: UNK1U17.36 UNK1U18.52
S1_U4PILB_P5_MDI+: UNK1U17.47 UNK1U18.47
S1_U4PILB_P5_MDI-: UNK1U17.46 UNK1U18.46
S1_U4PILB_P6_MDI+: UNK1U17.53 UNK1U18.43
S1_U4PILB_P6_MDI-: UNK1U17.52 UNK1U18.42
S1_U6_VDD: UNK1C173.1 UNK1R20.1 UNK1R137.1 UNK1U6.2 UNK1U6.8 UNK1U6.11 UNK1U6.15 UNK1U6.16 UNK1U6.20 UNK1U6.24 UNK1U6.26 UNK1U6.31 UNK1U6.33 UNK1U6.40 UNK1U6.56 UNK1U6.64
S1_U17_VDD: UNK1C209.1 UNK1C220.1 UNK1R21.1 UNK1U17.2 UNK1U17.8 UNK1U17.11 UNK1U17.15 UNK1U17.16 UNK1U17.20 UNK1U17.24 UNK1U17.26 UNK1U17.31 UNK1U17.33 UNK1U17.40 UNK1U17.56 UNK1U17.64 UNK1U18.2 UNK1U18.8 UNK1U18.11 UNK1U18.15 UNK1U18.16 UNK1U18.20 UNK1U18.24 UNK1U18.26 UNK1U18.31 UNK1U18.33 UNK1U18.40 UNK1U18.56 UNK1U18.64
S1_VBAT: S1_PH_VBAT.1 S1_VBAT.1(TP) SITE1.G7(VBAT) UNK1C78.1 UNK1C79.1 UNK1C325.1 UNK1K7.4 UNK1K7.9 UNK1R276.2 UNK1R309.1
S1_VO09: S1_VO09.1(TP) SITE1.G4(VO09) SLOT1-DOWN.E13 UNK1CD168.1 UNK1L3.2 UNK1RD11.2 UNK1RD21.2
S1_VSENSE: SITE1.F4(VSENSE) UNK1K223.4
S1_WAKE: SITE1.K4(WAKE) UNK1K82.4
S1_WP: SITE1.K16(SPI_SIO2) UNK1RD77.1
S2_1_CKXTAL1: UNK2C169.2 UNK2K34.5 UNK2Y7.3
S2_1_CKXTAL2: UNK2C168.2 UNK2K34.4 UNK2Y7.1
S2_1_INH: UNK2K6.4 UNK2R362.1
S2_1_NGATE: UNK2CMOS1.2 UNK2K11.8
S2_1_P6_HSI+: UNK2K213.31 UNK2K214.12
S2_1_P6_HSI-: UNK2K213.32 UNK2K214.11
S2_1_P6_HSO+: UNK2K213.34 UNK2K217.11
S2_1_P6_HSO-: UNK2K213.33 UNK2K217.12
S2_1_P7_HSI+: UNK2K213.22 UNK2K214.16
S2_1_P7_HSI-: UNK2K213.23 UNK2K214.15
S2_1_P7_HSO+: UNK2K213.25 UNK2K217.15
S2_1_P7_HSO-: UNK2K213.24 UNK2K217.16
S2_1_PGATE: UNK2CMOS1.4 UNK2K11.5
S2_1_VSENSE: UNK2CMOS1.5 UNK2CMOS1.6 UNK2CMOS1.7 UNK2CMOS1.8 UNK2CMOS1.9 UNK2CMOS1.10 UNK2K223.5 UNK2L3.1
S2_1_WAKE: K82.8(NO2) UNK2R276.1
S2_2_GPIOA1: UNK2K124.3 UNK2R328.2
S2_2_GPIOA2: UNK2K124.6 UNK2R327.2
